# KiCad board Bread70.kicad_pcb (continued)
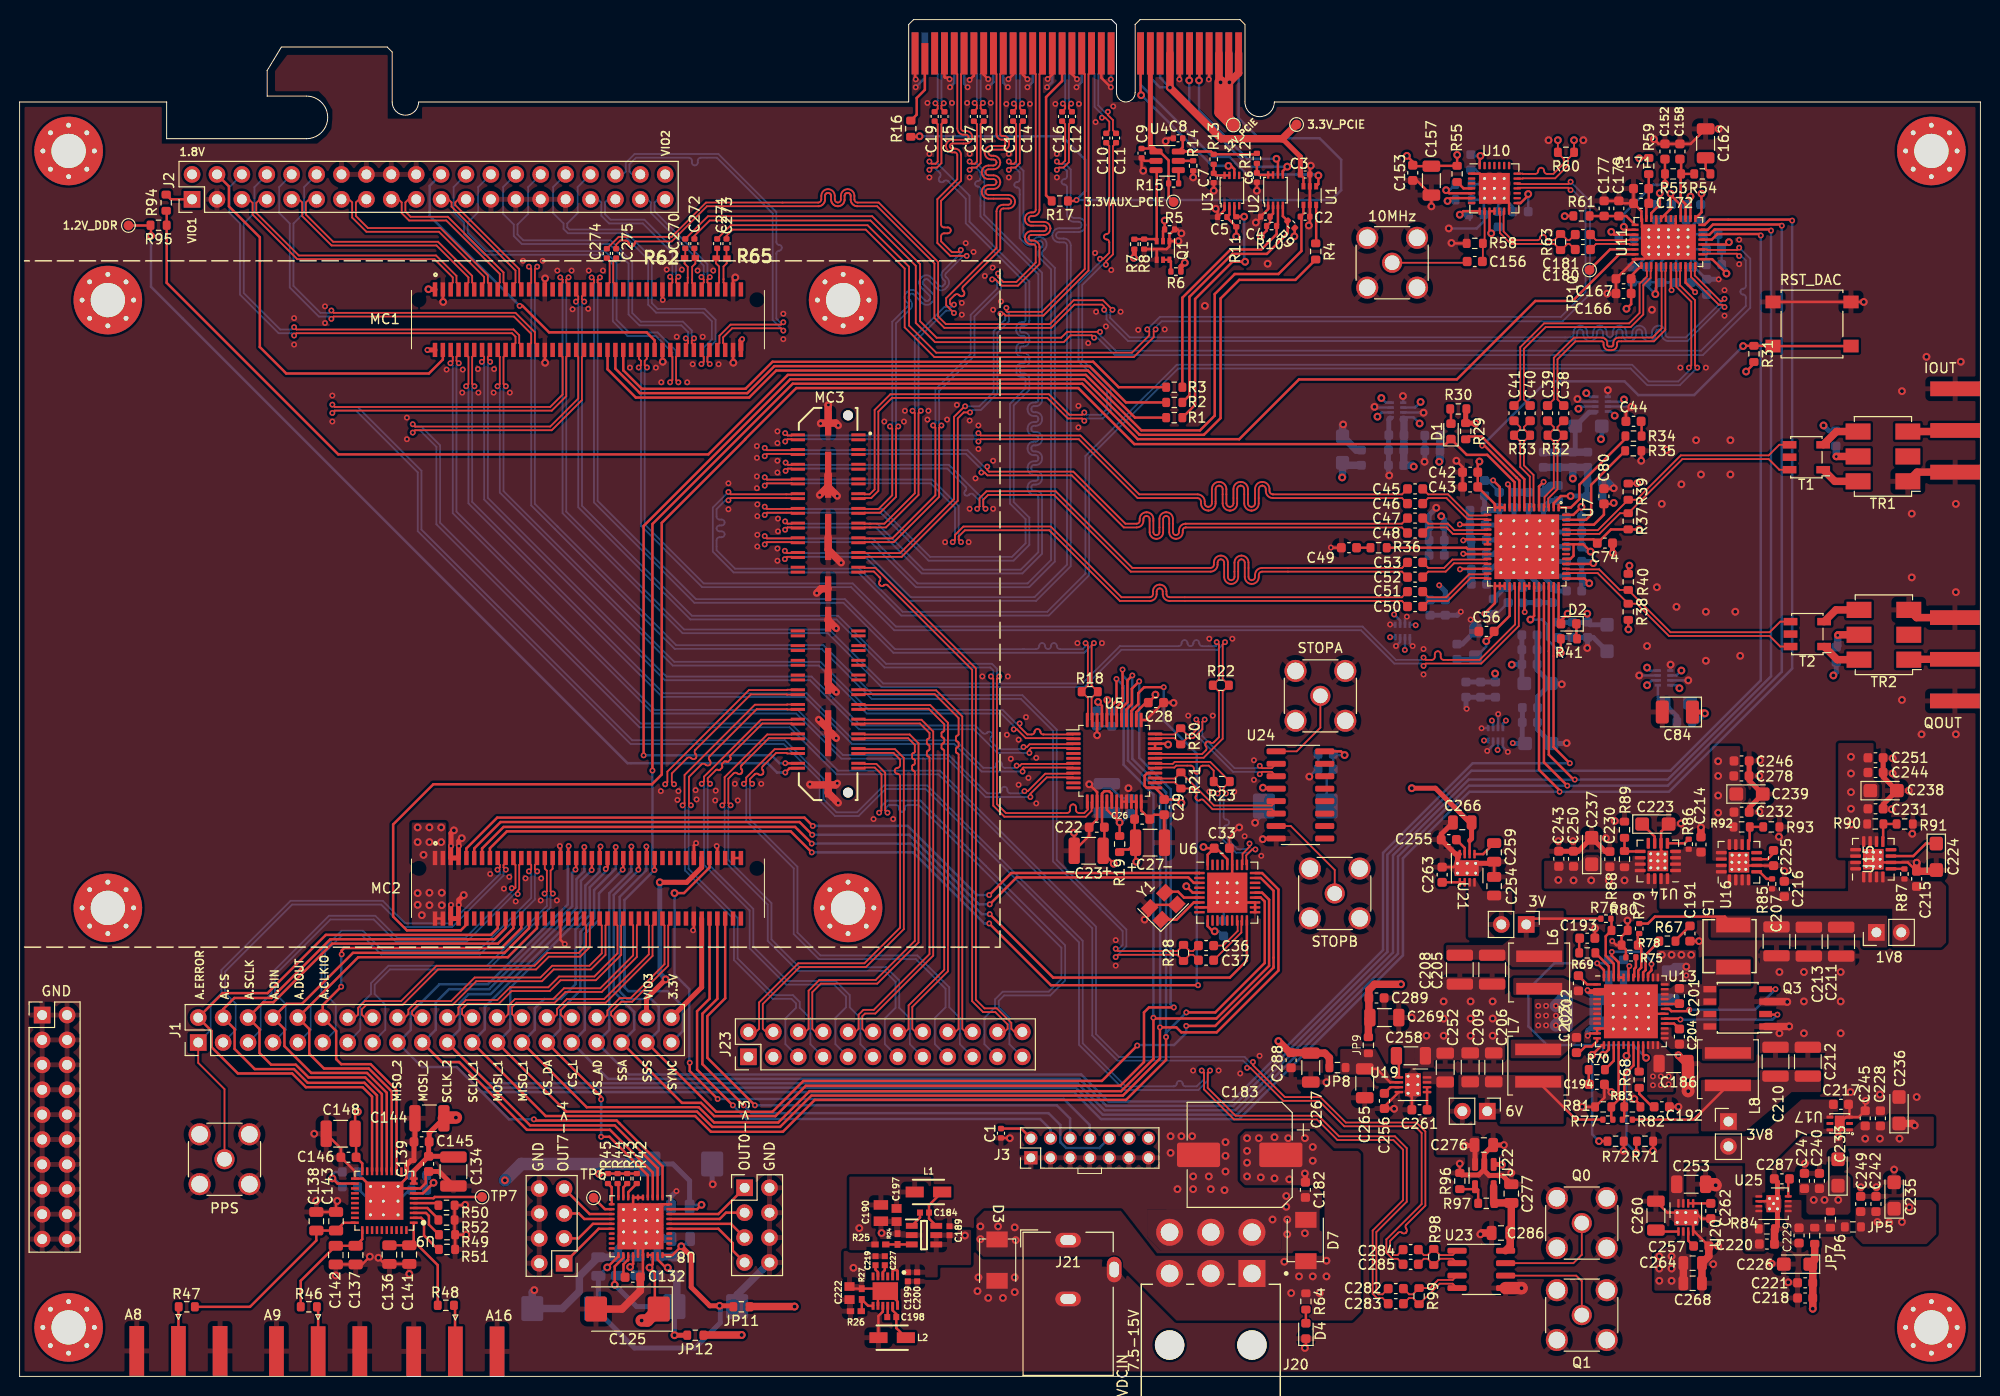
[diagram p0: board, top side]
## Routing (per net, layer and track width the routed paths; a pad name or vN(x,y) marks a point on that pad's centre or on a via; arc(x,y) is an arc through that point) (continued)
DAC_SYSREF_N: length 25
  Top w0.184: C41.2 153.06,99.66 153.06,104.98 155.5,107.41 164.17,107.41 165.24,108.48 165.24,111.45 165.99,112.21 165.99,112.72 165.93,112.79 U11.2
DAC_SYSREF_P: length 25
  Top w0.184: U11.3 166.43,112.79 166.37,112.72 166.37,112.05 165.61,111.3 165.61,108.32 164.33,107.04 155.65,107.04 153.44,104.82 153.44,99.66 C40.2
FPGA10_N: length 4.4
  Top w0.184: 72.12,114.1 72.12,113.54 71.8,113.21 71.8,111.93 71.79,111.92 71.79,111.57 71.97,111.4 71.97,110.9 ; C273.2 72.1,114.1 R65.2
FPGA10_P: length 4.5
  Top w0.184: 71.03,114.1 71.03,113.54 71.35,113.21 71.35,112.1 71.34,112.09 71.34,111.57 71.17,111.4 71.17,110.9 ; C271.2 71.15,114.15 R65.1
FPGA_FREE_N: length 4.4
  Top w0.184: C272.2 68.83,114.17 R62.2 68.92,113.51 68.6,113.19 68.6,111.9 68.59,111.9 68.59,111.55 68.77,111.37 J5.67
FPGA_FREE_P: length 4.4
  Top w0.184: C270.2 67.9,114.15 R62.1 67.83,113.51 68.15,113.19 68.15,112.07 68.14,112.07 68.14,111.55 67.97,111.37 J5.65
FPGA_SYSREF_N: length 3.4
  Top w0.184: J5.47 60.77,111.37 60.56,111.58 60.56,113.78 C275.2
FPGA_SYSREF_P: length 3.4
  Top w0.184: J5.45 59.97,111.37 60.18,111.58 60.18,113.78 C274.2
IOVDD: length 27.2
  Top w0.25: v2(149.6,75) 150.4,75.8 C56.2 151.98,77.58 U7.32 ; U7.42 156.98,77.01 D2.2 157.22,77.12 v2(157.9,77.8)
  Top w0.254: 176.9,103.47 176.9,103.3 v2(176.1,102.5)
  Top w0.508: R30.2 147.5,98.61 R29.2 148.46,97.24 v2(148.5,97.2)
  Bottom w0.25: C66.1 149.6,74.45 v2(149.6,75) ; C63.2 157.75,77.8 v2(157.9,77.8)
  Bottom w0.508: C57.2 C61.2 C63.2 ; C57.2 159.93,77.77 v2(159.9,77.8) ; C57.2 160.19,76.67 C70.1 ; C60.2 148.29,73.14 C66.1
  vias: v2(183,18) v2(184.1,18) v2(185.5,18)
MISO_1: length 161.1
  Top w0.254: U5.43 111.4,68.43 111.88,68.91 v1(111.88,71.14) ; J1.27 57.85,27.45 69.28,27.45 70.84,25.9 77.38,25.9 80.58,29.1 112.35,29.1 115.65,32.39 v1(115.65,36.58) 115.72,36.51 122.07,36.51 127.45,41.88 127.45,48.63 126.73,49.34 U6.23 ; J4.45 59.97,51.95 v1(59.79,51.76)
  Bottom w0.254: 51.26,34.07 52.55,35.36 52.55,37.55 53.5,38.5 55.2,38.5 56.7,40 56.7,45.6 58.15,47.05 58.15,49.89 59.79,51.52 v1(59.79,51.76) ; v1(111.88,71.14) 112.6,70.42 112.6,62.4 115.65,59.35 115.65,36.59 v1(115.65,36.58)
MISO_2: length 304.9
  Top w0.254: U11.20 171.86,117.46 172.4,118 180.7,118 v1(180.8,117.9) ; J4.35 55.97,54.07 v1(56,54.1) ; v1(157.08,59.64) 157.08,59.78 154.98,61.87 U7.38 ; U8.11 65.58,21.42 60.9,26.1 52.58,26.1 v1(52.46,26.22)
  Bottom w0.254: v1(52.46,26.22) 49.92,26.22 46.11,30.03 ; 46.11,30.03 44.58,31.56 41.04,31.56 J1.17 ; 46.11,30.03 47.13,29 107.55,29 110.3,26.25 124.4,26.25 141.1,42.95 141.1,52.85 147.89,59.64 v1(157.08,59.64) 168.24,59.64 180.8,72.2 v1(180.8,117.9) ; v1(56,54.1) 55.91,54.01 55.91,48.15 47.77,40 42.82,40 39.9,37.08 39.9,35.35 38.62,34.07
MOSI_1: length 172.5
  Top w0.254: J4.43 59.17,53.97 v1(59.25,54.05) ; U6.27 126.73,51.34 128.4,49.68 128.4,41.4 122.1,35.1 118.5,35.1 117.99,35.6 v1(116.32,35.6) 116.32,32.42 112.54,28.65 80.76,28.65 77.57,25.45 70.65,25.45 69.09,27.01 55.75,27.01 J1.25 ; U5.42 111.9,68.3 112.5,68.9 v1(112.5,72.1)
  Bottom w0.254: v1(116.32,35.6) 116.33,35.62 116.33,59.54 113.05,62.81 113.05,70.95 112.5,71.5 v1(112.5,72.1) ; 48.72,34.07 50.05,35.4 50.05,39.65 57.7,47.3 57.7,50.07 59.17,51.53 59.17,53.97 v1(59.25,54.05)
MOSI_2: length 300.7
  Top w0.254: v1(157.87,60.26) 155.48,62.64 U7.39 ; J1.19 43.08,32.06 44.84,32.06 51.75,25.15 60.21,25.15 64.58,20.79 U8.13 ; J4.37 56.77,51.77 v1(56.7,51.7) ; U11.19 172.18,116.96 172.72,117.5 179.62,117.5 v1(179.74,117.38)
  Bottom w0.254: v1(179.74,117.38) 179.74,71.88 168.13,60.26 v1(157.87,60.26) 147.83,60.26 140.59,53.03 140.59,43.12 124.17,26.7 110.49,26.7 107.73,29.45 47.45,29.45 44.84,32.06 43.08,32.06 J1.19 ; 41.16,34.07 42.45,35.36 42.45,38.15 43.8,39.5 47.9,39.5 56.36,47.96 56.36,51.36 v1(56.7,51.7)
PCIE_CLK_N: length 66.3
  Top w0.182: 106.43,98.73 104.98,100.19
  Top w0.184: v1(108.6,98.33) 108.36,98.09 107.08,98.09 106.43,98.73 ; v1(110.2,114) 110.53,114 111.15,114.61 111.15,115.7 arc(111.07,115.9) 110.87,115.98 arc(110.68,116.06) 110.6,116.25 110.6,116.25 arc(110.68,116.45) 110.87,116.53 arc(111.07,116.61) 111.15,116.8 111.15,125.5 110.84,125.81 C10.1 ; J7.17 86.13,90.04 86.2,89.98 86.71,89.98 87.21,90.48 87.21,98.58 88.82,100.19 104.98,100.19
  Bottom w0.184: v1(110.2,114) 110.2,113.67 108.01,111.48 108.01,103.52 110.91,100.62 110.91,98.68 110.32,98.09 108.84,98.09 v1(108.6,98.33)
PCIE_CLK_P: length 66.3
  Top w0.182: 106.17,98.47 104.82,99.81
  Top w0.184: J7.19 86.13,89.54 86.2,89.6 86.87,89.6 87.59,90.32 87.59,98.42 88.98,99.81 104.82,99.81 ; v1(108.6,97.47) 108.36,97.71 106.92,97.71 106.17,98.47 ; v1(110.8,113.4) 110.8,113.73 111.52,114.46 111.52,125.5 111.84,125.81 C11.1
  Bottom w0.184: v1(108.6,97.47) 108.84,97.71 110.48,97.71 111.29,98.52 111.29,100.78 108.39,103.68 108.39,111.32 110.47,113.4 v1(110.8,113.4)
SCLK_1: length 167.9
  Top w0.25: v1(116.94,34.62) 116.94,32.28
  Top w0.254: J1.23 53.66,26.56 68.91,26.56 70.51,24.95 77.85,24.95 81.1,28.2 112.85,28.2 116.94,32.28 ; v1(113.5,71.5) 113,71 113,68.77 112.4,68.17 U5.41 ; v1(58.35,51.65) 58.37,51.67 J4.41 ; U6.22 126.6,48.84 127,48.44 127,42.17 121.96,37.13 v1(119,37.13)
  Bottom w0.254: 46.16,34.12 47.45,35.41 47.45,37.68 57.26,47.49 57.26,50.56 v1(58.35,51.65) ; v1(113.5,71.5) 113.5,63 116.95,59.55 116.94,59.53 v1(116.94,34.62) 116.94,35.06 v1(119,37.13)
SCLK_2: length 293.6
  Top w0.254: U7.40 155.98,63.41 158.52,60.88 v1(158.63,60.88) ; J4.39 57.57,53.97 v1(57.6,54) ; U11.18 172.36,116.46 172.9,117 178.52,117 v1(178.64,116.88) ; U8.12 65.08,21.22 60.7,25.6 52.08,25.6 J1.21
  Bottom w0.254: v1(178.64,116.88) 178.64,71.41 168.11,60.88 v1(158.63,60.88) 147.81,60.88 140.09,53.15 140.09,43.24 123.99,27.15 110.67,27.15 107.92,29.9 47.78,29.9 J1.21 ; 43.62,34.12 44.9,35.4 44.9,38.1 45.8,39 48.03,39 56.81,47.78 56.81,50.74 57.6,51.53 v1(57.6,54)
SYNC_CLOCKCHIP: length 177.1
  Top w0.254: J4.57 64.77,51.67 v1(64.75,51.65) ; v1(64.55,61.8) 64.55,86.95 78.86,101.26 108.39,101.26 114.05,95.6 124.4,95.6 130.5,101.7 146.6,101.7 154.6,109.7 158.4,109.7 163.16,114.46 U11.39
  Bottom w0.254: v1(64.55,61.8) 64.55,51.85 v1(64.75,51.65) 61.7,48.6 61.7,39.7 62.1,39.3 66.1,39.3 67.65,37.75 67.65,35.23 J1.39
SYNCOUTB_N: length 119.5
  Top w0.182: J5.56 63.97,103.8 63.76,103.59 63.76,103.15 v1(63.99,102.92)
  Top w0.184: U7.33 152.54,80.57 152.54,76.71 148.92,73.09 145.25,73.09 arc(145.04,73.18) 144.95,73.39 144.95,73.67 arc(144.86,73.88) 144.65,73.97 arc(144.44,73.88) 144.35,73.67 144.35,73.39 arc(144.26,73.18) 144.05,73.09 143.44,73.09 v1(143.2,73.33)
  Bottom w0.184: v1(63.99,102.92) 63.76,102.68 63.76,86.91 69.78,80.89 84.98,80.89 89.38,76.49 136.98,76.49 140.38,73.09 142.96,73.09 v1(143.2,73.33)
SYNCOUTB_P: length 119.5
  Top w0.182: J5.54 63.17,103.8 63.38,103.59 63.38,103.15 v1(63.14,102.92)
  Top w0.184: v1(143.2,72.47) 143.44,72.71 149.08,72.71 152.92,76.55 152.92,80.57 U7.34
  Bottom w0.184: v1(63.14,102.92) 63.38,102.68 63.38,86.75 69.62,80.51 84.82,80.51 89.22,76.11 136.82,76.11 140.22,72.71 142.96,72.71 v1(143.2,72.47)
T1_N: length 155.1
  Top w0.182: J7.60 78.29,69.54 78.27,69.56 74.58,69.56 68.93,63.91 arc(68.84,63.7) 68.93,63.49 68.95,63.47 arc(69.04,63.26) 68.95,63.04 arc(68.74,62.96) 68.53,63.04 68.51,63.07 arc(68.3,63.15) 68.08,63.07 66.53,61.51 66.53,60.62 v1(66.75,60.4) ; v2(156.9,126.1) R60.2 156.9,124.79 157.5,124.19 157.5,123.72 156.44,122.66 155.8,122.66 arc(155.59,122.75) 155.5,122.96 155.5,122.99 arc(155.41,123.2) 155.2,123.29 arc(154.99,123.2) 154.9,122.99 154.9,122.96 arc(154.81,122.75) 154.6,122.66 153.34,122.66 153.31,122.69 U10.21
  In2.Cu w0.162: v2(156.9,126.1) 157.5,126.7 157.5,127.18 156.36,128.32 151.5,128.32 arc(151.29,128.24) 151.2,128.03 151.2,127.99 arc(151.11,127.78) 150.9,127.69 arc(150.69,127.78) 150.6,127.99 150.6,128.03 arc(150.51,128.24) 150.3,128.32 arc(150.09,128.24) 150,128.03 150,127.99 arc(149.91,127.78) 149.7,127.69 arc(149.49,127.78) 149.4,127.99 149.4,128.03 arc(149.31,128.24) 149.1,128.32 136.99,128.32 133.82,125.16 133.82,117.91 86.59,70.67 74.09,70.67 66.53,63.11 66.53,60.62 v1(66.75,60.4)
T1_P: length 155.1
  Top w0.182: U10.20 153.31,122.19 153.34,122.21 156.63,122.21 157.95,123.53 157.95,124.19 158.55,124.79 R60.1 158.55,126.1 v2(158.55,126.1) ; J7.58 78.29,70.04 78.27,70.01 74.4,70.01 66.07,61.69 66.07,60.62 v1(65.85,60.4)
  In2.Cu w0.162: v2(158.55,126.1) 157.95,126.7 157.95,127.37 156.54,128.78 136.81,128.78 133.38,125.34 133.38,118.09 86.41,71.12 73.91,71.12 66.07,63.29 66.07,60.62 v1(65.85,60.4)
VDCIN: length 10.2
  Top w0.25: IC2.2 89.05,10.75 89.15,10.85 89.45,10.85 89.55,10.75 IC2.1
  Top w0.254: J4.2 J4.4
  Top w0.508: C182.1 131.15,20.65 v2(131.1,20.7)
  Bottom w0.762: C185.1 168.84,41.8 v2(170,41.8)
  Bottom w1.27: v1(156.7,35.8) 156.99,36.09 157.82,36.09 157.8,36.11 C187.1 157.39,38.49 v1(156.7,37.8)
  vias: v1(154.9,37.8) v1(154.9,36.8) v1(154.9,35.8) v1(155.7,37.8) v1(155.7,36.8) v1(155.7,35.8) v1(156.7,36.8) v1(166.6,30.6) v1(166.6,29.7) v1(167.4,30.6) v1(167.4,29.7) v1(168.2,30.6) v1(168.2,29.8) v1(170,40.9) v2(40.6,56) v2(40.6,54.5) v2(40.6,49.3) v2(40.6,48.1) v2(41.03,47.05) v2(41.2,53.2) v2(41.8,56) v2(41.8,54.5) v2(41.8,49.34) v2(41.8,48.07) v2(43,56) v2(43,54.5) v2(43.06,49.34) v2(43.06,48.07) v2(96.43,14.38) v2(98,15.3) v2(98,14) v2(99.8,15.3) v2(101.5,15.2) v2(101.6,13.9) v2(125.2,24.3) v2(125.2,23) v2(125.2,21.8) v2(125.2,20.4) v2(126.4,24.3) v2(126.6,20.3) v2(128,24.4) v2(128,20.2) v2(129,11.7) v2(129.4,24.3) v2(129.5,20.1) v2(129.7,8.5) v2(130.5,10.2) v2(131.1,24.3) v2(131.9,23.4) v2(131.9,22) v2(131.9,10.2) v2(132.6,8.5) v2(133.3,11.8) v2(133.3,10.2) v2(167.5,43) v2(168.5,43) v2(169.5,43) v2(170.5,43)
VIO1: length 136.4
  Top w0.254: U2.2 127.85,118.61 C4.1 127.55,117.7 R10.1 127.19,116.88 v2(126.6,116.29) ; R9.1 130.06,116.33 v2(130.02,116.29) ; J2.1 15.43,120.07 R94.1 ; U3.2 123.4,118.51 C5.1 123.15,118.21 R11.1 v2(124.1,116.29) ; v2(116.8,117.9) 116.79,117.89 R5.1 116.63,116.84 Q1.2
  Top w0.508: v2(41.7,110.9) 41.72,110.88 J5.1
  In3.Cu w1.27: 37,115.6 22.06,115.6 J2.1 ; 37,115.6 v2(41.7,110.9) ; 37,115.6 90.1,115.6 92.4,117.9 v2(116.8,117.9) 121.2,117.9 122.81,116.29 v2(124.1,116.29) v2(126.6,116.29) v2(130.02,116.29)
VIO2: length 26.5
  Top w0.508: v1(73.7,105.8) 73.57,105.67 J5.80
  In2.Cu w1.27: v1(73.7,105.8) 77.1,109.2 77.1,115.6 70.09,122.61 J2.40
VIO3: length 20.7
  Top w0.508: v2(65.9,40.5) 63.94,38.54 J1.38 ; J4.69 69.57,51.92 68.05,50.4 v2(65.3,50.4)
  Bottom w0.508: v2(65.9,40.5) 65.3,41.1 v2(65.3,50.4)
VREF1: length 40.8
  Top w0.254: J5.4 43.17,103.73 41.74,102.3 27.2,102.3 24.5,105 24.5,116.2 21.35,119.35 21.35,121.39 J2.4
Net-(C44-Pad2): length 1.5
  Top w0.254: C44.2 165.44,97.37 R34.2
Net-(C49-Pad1): length 1.4
  Top w0.254: R36.1 C49.1
Net-(C54-Pad2): length 3.3
  Top w0.762: TR1.5 185.31,93.84 v1(185.3,93.83)
  Bottom w0.762: v1(185.3,93.83) 185.3,94.85 C54.2
Net-(C55-Pad2): length 3.5
  Top w0.762: TR2.5 185.51,75.65 v1(185.45,75.59)
  Bottom w0.762: v1(185.45,75.59) 185.45,74.54 C55.2
Net-(C162-Pad2): length 1.8
  Top w0.254: R54.1 171.97,123.15 171.97,124.3
Net-(C191-Pad2): length 2.2
  Top w0.254: C191.2 168.9,44.47 R67.1
Net-(C192-Pad2): length 2.7
  Top w0.254: C192.2 166.53,27.5 165.2,28.83 R68.1
Net-(C193-Pad2): length 1.5
  Top w0.254: R69.1 159.07,44.65 C193.2
Net-(C194-Pad2): length 1.5
  Top w0.254: C194.2 160.05,29.84 R70.1
Net-(D1-A): length 1.5
  Top w0.254: R30.1 146,98.61 D1.2
Net-(D2-K): length 1.6
  Top w0.25: D2.1 158.79,75.3 R41.1
Net-(D4-A): length 1.4
  Top w0.254: D4.2 R64.2
Net-(IC1-CB): length 1.7
  Top w0.25: IC1.1 91.84,16.2 C184.2
Net-(IC1-FB): length 2.7
  Top w0.25: R25.2 R24.1 IC1.3
Net-(IC1-SW): length 4.3
  Top w0.25: IC1.6 92.76,16.1 C184.1 92.76,17.47 L1.1
Net-(IC2-BST): length 1.2
  Top w0.25: IC2.10 88.55,6.1 C198.2
Net-(IC2-FB): length 2.6
  Top w0.25: IC2.7 86.55,7.2 R27.1 85.9,6.7 R26.1
Net-(IC2-LX): length 3.8
  Top w0.25: IC2.11 89.05,6.73 89.42,6.36 C198.1 89.42,4.93 L2.1
Net-(IC2-SS): length 1.2
  Top w0.25: IC2.4 88.05,10.64 88.25,10.84 C227.2
Net-(IC2-VCC): length 1.2
  Top w0.25: C219.1 87.3,10.89 87.55,10.64 IC2.5
Net-(J8-~{PRSNT2}-PadB17): length 16
  Top w0.254: J8.B17 106.34,132.13 104.7,130.5 104.7,120.47 R17.2
Net-(J8-~{PRSNT2}-PadB31): length 6.9
  Top w0.254: R16.2 91.5,128.7 91.5,130.4 92.34,131.24 J8.B31
Net-(J10-In): length 4.8
  Top w0.254: R48.2 44.42,7.13 44.42,2.53
Net-(J11-In): length 8.8
  Top w0.182: J11.1 132.68,66.18 130.26,63.76 U24.1
Net-(J12-In): length 10.2
  Top w0.182: U24.7 129.66,56.14 134.14,51.66 J12.1
Net-(J13-In): length 4.7
  Top w0.762: TR2.1 192.74,73.15 J13.1
Net-(J14-In): length 4.9
  Top w0.762: TR1.3 197.37,96.38 197.48,96.49
Net-(J16-In): length 4.6
  Top w0.254: R46.2 30.45,6.97 J16.1
Net-(J17-In): length 4.5
  Top w0.254: J17.1 16.2,7.07 R47.2
Net-(J18-In): length 11.5
  Top w0.182: U23.6 158.78,10.28 159.34,9.71 159.34,9.71 J18.1
Net-(J19-In): length 7.7
  Top w0.182: C156.1 147.53,113.6 J19.1
Net-(J22-In): length 11.4
  Top w0.182: U23.7 158.49,11.55 159.34,12.41 159.34,12.42 J22.1
Net-(Q1A-D): length 1.9
  Top w0.254: Q1.5 Q1.6 117.43,113.75 R6.2
Net-(SW1-B): length 51
  Top w0.254: v1(149.18,94.94) 149.43,94.94 152.67,91.7 152.67,91.7 152.98,91.39 U7.9 ; v2(175.8,105.1) 175.82,105.12 R31.2 178.82,105.12 SW1.2 SW1.2
  Bottom w0.254: v2(175.8,105.1) 170.8,100.1 165.1,100.1 163.7,101.5 155.74,101.5 v1(149.18,94.94)
Net-(T1-Pad1): length 4
  Top w0.762: T1.1 185.16,91.3 TR1.6
Net-(T1-Pad2): length 4.1
  Top w0.762: T1.2 185.31,96.38 TR1.4
Net-(T2-Pad1): length 4.1
  Top w0.762: T2.1 185.4,73.11 TR2.6
Net-(T2-Pad2): length 4.1
  Top w0.762: T2.2 185.26,78.19 TR2.4
Net-(U2-EN): length 2.7
  Top w0.254: U2.7 U2.8 126.41,122.56 C6.1 R12.1
Net-(U3-EN): length 2.6
  Top w0.254: R13.1 C7.1 122.01,122.51 U3.8 U3.7
Net-(U4-ILIM): length 1.5
  Top w0.254: U4.5 119.69,123.99 R14.1
Net-(U4-~{FAULT}): length 1.4
  Top w0.254: R15.1 118.22,123.01 U4.4
Net-(U6-XA): length 3.8
  Top w0.254: Y1.3 116.92,49.44 118.16,49.44 118.76,48.84 U6.6
Net-(U6-XB): length 4.6
  Top w0.254: Y1.1 118.01,46.59 119.76,48.34 U6.7
Net-(U7-I120): length 10.7
  Top w0.254: U7.55 159.78,87.38 160.3,87.9 160.3,90.95 R35.1
Net-(U7-LDO_BYP1): length 10.4
  Top w0.25: R36.2 139.44,84.53 147.58,84.53 147.73,84.38 U7.22
Net-(U7-LDO_BYP2): length 10.8
  Top w0.254: U7.1 158.23,88.63 159.1,89.5 159.1,90.96 163.79,95.66 R34.1
Net-(U7-PROTECT_OUT): length 10.4
  Top w0.254: v2(157.2,73.8) 157.2,75.23 R41.2 ; U7.37 154.48,77.58 v2(154.1,77.2)
  Bottom w0.254: v2(157.2,73.8) 155.8,75.2 155.8,76.7 155.3,77.2 v2(154.1,77.2)
Net-(U7-TXEN): length 10.8
  Top w0.254: U7.8 153.48,91.52 149.12,95.88 147.79,95.88 R29.1
Net-(U8-REF): length 2.6
  Top w0.254: C132.2 61.59,10.29 61.59,11.44 61.99,11.84 62.03,11.84 62.08,11.88 U8.33
Net-(U8-REFCMP): length 2.5
  Top w0.254: U8.34 62.58,11.47 v2(62.27,11.16)
  Bottom w0.254: C131.2 62.27,11.08 v2(62.27,11.16)
Net-(U9-REGCAPA): length 5
  Top w0.254: U9.7 41.14,18.67 v2(42.22,19.75)
  Bottom w0.254: C140.2 C135.2 42.22,19.7 v2(42.22,19.75)
Net-(U9-REGCAPD): length 5.4
  Top w0.25: v2(31.9,20.2) 32.43,19.67 U9.22
  Bottom w0.25: C147.2 32.2,20.85 31.9,20.55 v2(31.9,20.2) 32.06,20.2 C149.2
Net-(U10-EN): length 1.7
  Top w0.254: U10.4 147.28,121.19 R55.2
Net-(U10-IN0_N): length 3.8
  Top w0.254: v2(150.1,116.6) 149.93,116.77 U10.10 U10.11
  Bottom w0.254: C170.2 150.17,116.6 v2(150.1,116.6)
Net-(U10-IN0_P): length 5.2
  Top w0.182: U10.9 149.43,115.75 R58.1 149.25,113.78 C156.2
Net-(U10-IN1_N): length 3.4
  Top w0.254: v2(145.65,119.9) 145.94,120.19 U10.6
  Bottom w0.254: v2(145.65,119.9) 146.36,119.9 R57.2
Net-(U10-IN1_P): length 3.9
  Top w0.254: v2(145.5,121) 145.81,120.69 U10.5
  Bottom w0.254: R56.2 145.84,121 v2(145.5,121)
Net-(U11-BB): length 3.3
  Top w0.254: U11.22 v2(170.43,120.36)
  Bottom w0.254: C173.2 170.43,119.99 v2(170.43,120.36)
Net-(U11-BVCO): length 4.2
  Top w0.254: U11.30 166.43,118.66 167.3,119.53 v2(167.3,120.7)
  Bottom w0.254: v2(167.3,120.7) 167.3,119.86 166.98,119.54
Net-(U11-CMa): length 7.1
  Top w0.254: U11.24 169.43,119.49 168.4,120.52 v2(168.4,120.65) 168.4,119.08 U11.28
  Bottom w0.254: C175.2 168.4,119.61 v2(168.4,120.65)
Net-(U11-STAT): length 5.5
  Top w0.254: U11.38 162.23,114.96 TP10.1
Net-(U11-Vcp+): length 5
  Top w0.254: 164.78,117.46 163.88,118.36 C179.1 160.15,118.36 R61.2
Net-(U11-Vvco+): length 4.6
  Top w0.254: U11.31 165.93,119.42 166.17,119.66 C171.1 R59.2
Net-(U13-BST1): length 1.5
  Top w0.254: U13.32 169.26,37.99 C201.1
Net-(U13-BST2): length 1.7
  Top w0.254: 167.8,35.99 168.75,35.99 C204.1
Net-(U13-BST3): length 2.3
  Top w0.254: C202.1 159.89,39.99 U13.1
Net-(U13-BST4): length 2.9
  Top w0.254: C203.1 159.07,33.03 159.7,33.65 160.35,33.65 160.9,34.2 U13.12
Net-(U13-CFG12): length 12.7
  Top w0.254: v2(164.9,22.8) 164.9,23.92 R71.1 ; U13.18 164.1,32.9 v2(163.9,32.7)
  Bottom w0.254: v2(164.9,22.8) 163.9,23.8 v2(163.9,32.7)
Net-(U13-CFG34): length 11.6
  Top w0.254: R72.1 161.96,24 v2(161.1,24) ; U13.13 161.39,33.79 v2(160.4,32.8)
  Bottom w0.254: v2(160.4,32.8) 160.4,24.7 v2(161.1,24)
Net-(U13-COMP1): length 4.4
  Top w0.254: R67.2 165.85,43 165.85,41.45 165.6,41.2 U13.40
Net-(U13-COMP2): length 2.7
  Top w0.254: U13.20 165.1,31.19 R68.2
Net-(U13-COMP3): length 3.1
  Top w0.254: U13.47 162.1,41.82 R69.2
Net-(U13-COMP4): length 2.9
  Top w0.254: R70.2 162.6,32.19 U13.15
Net-(U13-FB1): length 4.8
  Top w0.254: R79.1 165.05,45.02 R78.1 165.41,43.63 165.41,41.71 165.1,41.4 U13.41
Net-(U13-FB2): length 8.1
  Top w0.254: U13.19 164.62,33.77 164.62,31.72 163.68,30.78 R83.1 163.68,26.38 R82.1
Net-(U13-FB3): length 6.6
  Top w0.254: R76.1 162.38,46.62 R80.1 161.78,44.89 161.78,42.91 162.6,42.09 U13.46
Net-(U13-FB4): length 8
  Top w0.254: R77.1 162.35,26.35 R81.1 163.1,28.24 U13.16
Net-(U13-RT): length 2.2
  Top w0.254: R75.2 164.86,41.73 164.7,41.57 164.7,40.79 U13.42
Net-(U14-ADJ): length 3
  Top w0.254: U14.9 163.74,53.55 R88.2 R89.1
Net-(U14-PG): length 2.3
  Top w0.254: R86.2 169.83,54.38 U14.5
Net-(U14-SS): length 2.5
  Top w0.254: U14.7 166.78,55.06 C223.1
Net-(U15-ADJ): length 2.8
  Top w0.254: R91.1 R90.2 190.08,56.33 190.08,54.95
Net-(U15-PG): length 1.1
  Top w0.254: 191.11,51.78 192.23,51.78 R87.2
Net-(U15-SS): length 4.9
  Top w0.254: 191.11,53.08 193.16,53.08 194.43,54.35 C224.1
Net-(U16-ADJ): length 2.8
  Top w0.254: 176.47,54.63 176.47,56.04 R92.2 R93.1
Net-(U16-PG): length 1.5
  Top w0.254: 177.49,51.45 178.2,50.75 R85.1
Net-(U16-SS): length 1.9
  Top w0.254: 177.49,52.75 178.3,52.75 178.9,53.36 C225.2
Net-(U19-BP): length 1.7
  Top w0.254: C256.1 139.84,29.5 U19.3
Net-(U19-REF): length 2.3
  Top w0.254: C261.1 U19.5 U19.6
Net-(U19-VREG): length 2.3
  Top w0.254: C258.1 140.69,32.45 U19.1
Net-(U20-BP): length 1.7
  Top w0.254: C257.1 170.2,13.85 U20.3
Net-(U20-REF): length 2.3
  Top w0.254: U20.6 U20.5 C262.1
Net-(U20-VREG): length 2.4
  Top w0.254: U20.1 167.05,14.78 C260.1
Net-(U21-BP): length 1.8
  Top w0.254: U21.3 147.4,53.9 C255.1
Net-(U21-REF): length 2.3
  Top w0.254: C263.1 U21.5 U21.6
Net-(U21-VREG): length 2.5
  Top w0.254: U21.1 149.28,53.27 C259.1
Net-(U22-FB): length 3.5
  Top w0.254: R97.2 148.78,19.03 U22.4 148.2,19.1 R96.1
Net-(U25-SS): length 1.8
  Top w0.254: U25.8 180.4,20.03 C287.2

## Copper pours and planes (outline as drawn; the poured copper is in the pictures)
3V3 on Top: 169.85,13.75 170,13.5 170,12.5 170.5,12.5 170.5,8.75 166.75,8.75 166.75,12.5 169.5,14 169.5,15.25 169.85,15.25
3V3 on In3.Cu: 108.5,71.5 107,70 107,54 121,40 150,40 158.75,44.5 174,44.5 175.5,43 175.5,29 163.5,21 163.5,10 165,8.5 172.5,8.5 174,10 174,15.13 184.5,23.13 184.5,43 179,48.5 135.9,48.5 135.85,50.75 135.85,54.7 135.7,65.05 122,65.05 122,70 120.5,71.5
5V on Top: 141.1,30.2 141.1,29.9 138.4,29.9 137.9,30.8 134.7,30.8 134.7,33.4 138.3,33.4 140,30.2
/AD9152/AVDD33 on Top: 187,25.25 186.25,25.25 186.25,23.5 195.25,23.5 195.25,26.5 191,26.5 190.5,26 187.75,26
/AD9152/AVDD33 on In2.Cu: 188,23.5 179.5,32 179.5,54 162.5,69.5 162.5,78 159,81.5 159,90 167.5,98 185.5,98 188.5,94.5 188.5,31.5 189.5,30.5 194,30.5 195,29.5 195,24.5 194,23.5
/AD9152/DVDD12 on Top: 174.1,52.6 172.65,52.6 172.65,64.3 175.5,64.3 175.5,60.6 176.1,60 176.1,58.8 175.5,58.3 175.5,55.2 175.9,55.2 175.9,53.8 174.1,53.8
/AD9152/DVDD12 on In3.Cu: 154,94.5 154,81.17 156.5,78.42 156.5,67.5 157,67 177,67 181,63 181,56 180.5,55.5 172,55.5 171,56.5 171,61 170,62 147,62 146.5,63 146.5,75.5 147,76 151.5,76 152,76.5 152,78.75 148.75,81.19 148.75,87.75 151,90 151,94.5 151.5,95 153.5,95
/AD9152/DVDD12_CLK on Top: 187.7,52.9 185.5,52.9 185.5,64.6 189.1,64.6 189.1,60.9 189.7,60.3 189.7,59.1 189.1,58.6 189.1,55.5 189.6,55.5 189.6,54.2 187.7,54.2
/AD9152/DVDD12_CLK on In3.Cu: 194,55.5 185,55.5 184,56.5 184,63.5 166,81.5 159,81.5 158,82.5 158,88 157,89 155.5,89 155,89.5 155,102 155.5,102.5 166.5,102.5 167,102 167,88.5 195,60.5 195,56.5
/AD9152/DVDD12_SERDES on Top: 167,51.2 167,49.75 155.5,49.75 155.5,52.6 159.2,52.6 159.8,53.2 161,53.2 161.5,52.6 164.5,52.6 164.5,53.1 165.7,53.1 165.7,51.2
/AD9152/DVDD12_SERDES on In3.Cu: 150.5,102 150.5,90.5 148,88 148,80.75 151,78.5 151,77 150.5,76.5 145.5,76.5 145,76 145,62 146.5,60.5 167,60.5 168,59.5 168,50.5 167,49.5 154,49.5 153,50.5 153,54.5 152.5,55 139,55 138,56 138,75 131.5,81.5 131.5,102 132,102.5 150,102.5
/Power/LDO/1V8 on Top: 191,43.75 196,43.75 196.5,44.25 196.5,50 196,50.5 193,50.5 192.5,51 190.25,51 190.25,51.5 187.7,51.5 187.7,52.6 186.5,52.6 186.5,49.5 179.4,49.5 179.1,50.1 176.55,50.1 176.55,51.2 174.1,51.2 174.1,52.3 172,52.3 172,54 169.7,54 169.7,53.75 168.5,53.75 168.5,51.2 167.25,51.2 167.25,47.7 191,47.7
/Power/LDO/3V on Top: 147.75,50.75 147.75,44.75 151.25,44.75 152.25,45.5 152.25,49.5 149.25,49.5 148.5,50.75
/Power/LDO/3V8 on Top: 185.5,27 185,27 185,26.25 184,26.25 184,25.25 185,25.25 185,24.75 181.75,24.75 178.05,21.05 178.05,18.75 177.75,18.75 177.75,18.25 176.75,18.25 176.75,17.5 177.75,17.5 177.75,15.75 178,15.5 178,12.75 176,12.75 176,21.75 169.75,21.75 169.75,17.25 168.25,17.25 168.25,24.5 177.5,24.5 181.75,28.25 185.5,28.25
/Power/LDO/6V on Top: 146.3,28.3 148.2,28.3 148.2,24.5 148.9,24.5 148.9,22.6 148.8,22.6 148.8,21 147.7,21 147.7,22.6 144.5,22.6 144.5,29.8 143.1,29.8 143.1,31.1 146.3,31.1
/Power/Switching/1V8 on Top: 172.5,47 172.5,44.75 188,44.75 188,43.75 190.5,43.75 190.5,47
/Power/Switching/3V on Top: 151.5,42.5 145.5,42.5 145.5,44 151.25,44 152.5,45 152.75,45.25 152.75,47.5 157.5,47.5 157.5,41.75 152.25,41.75
/Power/Switching/3V8 on Top: 183.75,31.25 177.5,31.25 177.5,30.25 171.5,30.25 171.5,25 176,25 180.75,29 183.75,29
/Power/Switching/6V on Top: 146.75,30.75 146.75,28.75 148.75,28.75 148.75,25.75 157.5,25.75 157.5,30.75
/Power/Switching/10.5V on Top: 84.62,20.38 92.97,20.38 92.97,17.97 90.32,17.97 90.32,16.43 87.83,16.43 87.83,12.88 84.62,12.88
/Power/Switching/-10.5V on Top: 88.85,12.8 88.85,11.75 86.3,11.75 86.3,8.4 84.05,8.4 84.05,12.8
GND on Top: 123.5,25.5 123.5,17 117,17 117,25.5
GND on Top: 97,10.7 97.5,11.2 111.7,11.2 113.3,9.4 113.3,5.4 111.4,3.5 97.5,3.5 97,4
GND on Top: 115,17 115,14.25 116.45,12.8 128.5,12.8 128.7,13 128.7,16.5 128.2,17
GND on Top: 151.5,40.75 151.5,32.25 144.25,32.25 144.25,31.5 142.25,31.5 142.25,40.75
GND on Top: 186,26.25 187.5,26.25 187.75,26.5 190.25,26.5 191,27.2 194.75,27.2 194.75,30 186,30
GND on Top: 124.5,129.5 124.7,129.5 124.8,129.25 124.95,129.05 125.05,128.85 125.35,128.55 125.7,128.35 126.05,128.2 126.35,128.15 126.7,128.16 127.1,128.25 127.5,128.45 127.8,128.7 128,128.95 128.1,129.05 128.15,129.15 128.2,129.35 128.25,129.5 199.5,129.5 199.5,0.5 0.5,0.5 0.5,129.5 14.5,129.5 14.5,125.75 30.35,125.75 31.3,126.55 31.8,127.25 31.9,128.3 31.9,129.2 31.2,130.4 30.5,131.1 26.05,131.1 26.05,133.15 27.3,134.8 37.55,134.8 37.55,128.3 41.05,128.3 41.05,129.5 91,129.5 91,132.75 111.5,132.75 111.5,130 114,130 114,132.75 124.5,132.75
GND on Top: 132.3,19 132.6,18.7 132.6,14.6 132,14 125,14 124.5,14.5 124.5,18.5 125,19
GND on Top: 177.5,43.45 187.25,43.45 187.25,33 177.5,33 177.5,36 180.25,36 180.25,37.75 177.5,37.75 177.5,38.75 180.25,38.75 180.25,40.5 177.5,40.5
GND on Top: 113.1,57.9 113.1,60.6 112.2,60.6 112.2,57.9
GND on Bottom: 111.5,130 114,130 114,132.75 124.5,132.75 124.5,129.5 124.7,129.5 124.8,129.2 124.9,129.1 125,128.9 125.3,128.6 125.45,128.5 125.65,128.35 125.9,128.25 126.3,128.15 126.55,128.15 126.8,128.16 127.05,128.25 127.25,128.3 127.45,128.4 127.65,128.55 127.85,128.75 128.05,129 128.15,129.15 128.2,129.3 128.3,129.5 199.5,129.5 199.5,0.5 0.5,0.5 0.5,129.5 14.5,129.5 14.5,125.75 30.35,125.75 31.3,126.55 31.8,127.25 31.9,128.3 31.9,129.2 31.2,130.4 30.5,131.1 26.05,131.1 26.05,133.15 27.3,134.8 37.55,134.8 37.55,128.3 41.05,128.3 41.05,129.5 91,129.5 91,132.75 111.5,132.75
